# Allegro board 8880F5-0825_4.brd (continued)
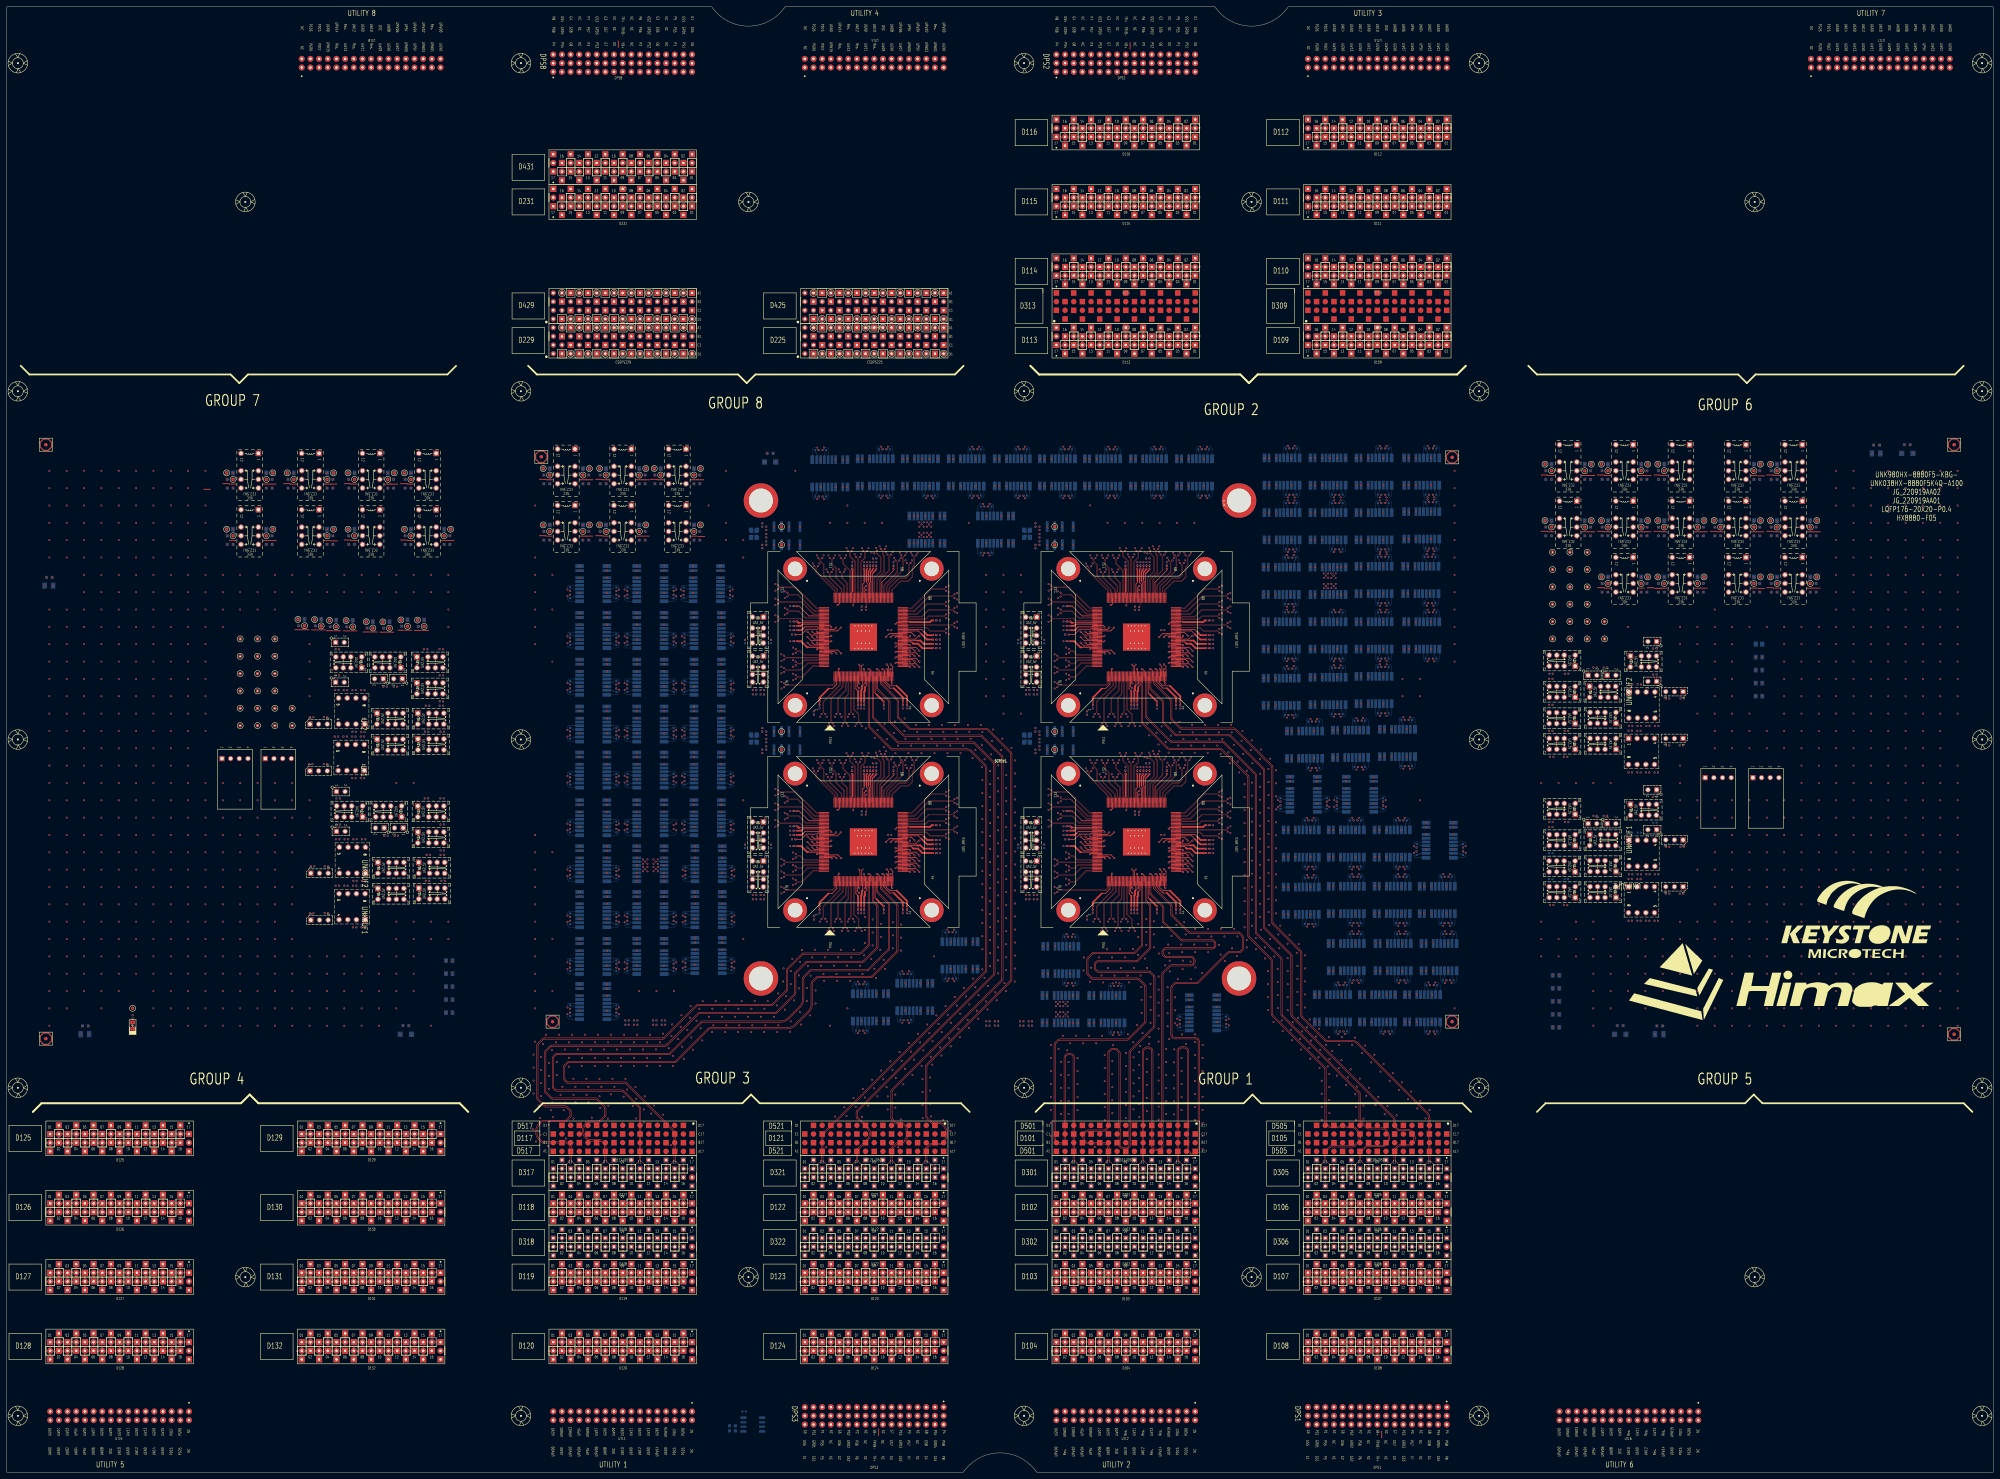
[diagram p0: board, top side]
## Routing (per net, layer and track width the routed paths; a pad name or vN(x,y) marks a point on that pad's centre or on a via; arc(x,y) is an arc through that point) (continued)
D102.A10 ; D102.A10 331.01,76.2 ; D102.A10 330.2,77.01 ; D102.A10 330.2,75.39 ; D127.A9 33.02,54.15 ; D127.A9 32.21,53.34 ; D127.A9 33.02,52.53 ; D127.A9 33.83,53.34 ; CSDPS229.C3 195.58,331.01 ; CSDPS229.C3 195.58,329.39 ; CSDPS229.C3 194.77,330.2 ; CSDPS229.C3 196.39,330.2 ; D431.B8 182.88,379.27 ; D431.B8 182.07,378.46 ; D431.B8 183.69,378.46 ; D431.B8 182.88,377.65 ; 193.04,65.33 D318.A14 ; D318.A14 192.33,66.04 ; D318.A14 193.75,66.04 ; D318.A14 193.04,66.75 ; 413.21,332.74 D109.A4 ; D109.A4 414.02,333.55 ; D109.A4 414.83,332.74 ; D109.A4 414.02,331.93 ; 398.78,80.47 D106.B8 ; D106.B8 397.97,81.28 ; D106.B8 398.78,82.09 ; D106.B8 399.59,81.28 ; 176.99,332.74 CSDPS229.B10 ; CSDPS229.B10 178.61,332.74 ; CSDPS229.B10 177.8,333.55 ; CSDPS229.B10 177.8,331.93 ; 319.23,393.7 D116.A12 ; D116.A12 320.04,394.51 ; D116.A12 320.85,393.7 ; D116.A12 320.04,392.89 ; 398.07,66.04 D306.A8 ; D306.A8 398.78,66.75 ; D306.A8 399.49,66.04 ; D306.A8 398.78,65.33 ; 408.94,367.49 D111.B6 ; D111.B6 409.75,368.3 ; D111.B6 408.13,368.3 ; D111.B6 408.94,369.11 ; 103.33,96.52 D129.A8 ; D129.A8 104.14,97.33 ; D129.A8 104.14,95.71 ; D129.A8 104.95,96.52 ; 95.71,93.98 D129.A5 ; D129.A5 96.52,93.17 ; D129.A5 97.33,93.98 ; D129.A5 96.52,94.79 ; 118.57,96.52 D129.A14 ; D129.A14 120.19,96.52 ; D129.A14 119.38,95.71 ; D129.A14 119.38,97.33 ; D123.B3 238.76,59.23 ; D123.B3 237.95,58.42 ; D123.B3 239.57,58.42 ; D123.B3 238.76,57.61 ; D317.A2 163.27,86.36 ; D317.A2 161.85,86.36 ; D317.A2 162.56,87.07 ; D317.A2 162.56,85.65 ; D128.A15 48.26,33.83 ; D128.A15 49.07,33.02 ; D128.A15 47.45,33.02 ; D128.A15 48.26,32.21 ; SITE2.G15 331.43,243.31 ; SITE2.G15 330.95,242.83 ; SITE2.G15 331.43,242.35 ; SITE2.G15 331.91,242.83 ; D122.A16 272.59,76.2 ; D122.A16 270.97,76.2 ; D122.A16 271.78,77.01 ; D122.A16 271.78,75.39 ; D131.B9 106.68,59.23 ; D131.B9 105.87,58.42 ; D131.B9 107.49,58.42 ; D131.B9 106.68,57.61 ; 238.76,329.39 CSDPS225.C15 ; CSDPS225.C15 239.57,330.2 ; CSDPS225.C15 238.76,331.01 ; CSDPS225.C15 237.95,330.2 ; 332.85,247.93 SITE2.G12 ; SITE2.G12 333.81,247.93 ; SITE2.G12 333.33,247.45 ; SITE2.G12 333.33,248.41 ; 255.73,35.56 D124.A10 ; D124.A10 256.54,36.37 ; D124.A10 256.54,34.75 ; D124.A10 257.35,35.56 ; 29.67,35.56 D128.A8 ; D128.A8 30.48,36.37 ; D128.A8 30.48,34.75 ; D128.A8 31.29,35.56 ; 415.75,19.05 DPS1.C15 ; DPS1.C15 416.56,18.24 ; DPS1.C15 416.56,19.86 ; DPS1.C15 417.37,19.05 ; D107.A1 381.81,53.34 ; D107.A1 380.19,53.34 ; D107.A1 381,54.15 ; D107.A1 381,52.53 ; D123.B12 262.43,60.96 ; D123.B12 261.62,60.15 ; D123.B12 260.81,60.96 ; D123.B12 261.62,61.77 ; D115.A7 333.55,375.92 ; D115.A7 331.93,375.92 ; D115.A7 332.74,375.11 ; D115.A7 332.74,376.73 ; 316.69,391.16 D116.B13 ; D116.B13 317.5,390.35 ; D116.B13 317.5,391.97 ; D116.B13 318.31,391.16 ; D321.A10 257.25,86.36 ; D321.A10 255.83,86.36 ; D321.A10 256.54,87.07 ; D321.A10 256.54,85.65 ; 232.97,63.5 D322.A1 ; D322.A1 233.68,62.79 ; D322.A1 234.39,63.5 ; D322.A1 233.68,64.21 ; D114.A2 345.44,353.87 ; D114.A2 346.25,353.06 ; D114.A2 344.63,353.06 ; D114.A2 345.44,352.25 ; DPS8.C01 201.47,410.21 ; DPS8.C01 200.66,409.4 ; DPS8.C01 199.85,410.21 ; DPS8.C01 200.66,411.02 ; 391.16,390.35 D112.B13 ; D112.B13 390.35,391.16 ; D112.B13 391.97,391.16 ; D112.B13 391.16,391.97 ; D322.A10 256.54,66.75 ; D322.A10 257.25,66.04 ; D322.A10 255.83,66.04 ; D322.A10 256.54,65.33 ; D301.B5 317.5,89.61 ; D301.B5 318.21,88.9 ; D301.B5 316.79,88.9 ; D301.B5 317.5,88.19 ; D109.A16 384.35,332.74 ; D109.A16 383.54,333.55 ; D109.A16 383.54,331.93 ; D109.A16 382.73,332.74 ; D130.A10 109.22,77.01 ; D130.A10 108.41,76.2 ; D130.A10 109.22,75.39 ; D130.A10 110.03,76.2 ; 325.12,352.25 D114.A10 ; D114.A10 325.93,353.06 ; D114.A10 325.12,353.87 ; D114.A10 324.31,353.06 ; 169.37,381 D431.B13 ; D431.B13 170.18,380.19 ; D431.B13 170.99,381 ; D431.B13 170.18,381.81 ; D112.A14 388.62,394.51 ; D112.A14 389.43,393.7 ; D112.A14 387.81,393.7 ; D112.A14 388.62,392.89 ; D113.B12 320.04,328.47 ; D113.B12 319.23,327.66 ; D113.B12 320.85,327.66 ; D113.B12 320.04,326.85 ; D125.B4 21.13,101.6 ; D125.B4 20.32,100.79 ; D125.B4 20.32,102.41 ; D125.B4 19.51,101.6 ; 160.02,67.87 D318.B1 ; D318.B1 160.73,68.58 ; D318.B1 160.02,69.29 ; D318.B1 159.31,68.58 ; D110.B13 391.16,351.33 ; D110.B13 391.16,349.71 ; D110.B13 390.35,350.52 ; D110.B13 391.97,350.52 ; 34.75,101.6 D125.B10 ; D125.B10 36.37,101.6 ; D125.B10 35.56,100.79 ; D125.B10 35.56,102.41 ; D302.B12 335.28,71.83 ; D302.B12 335.28,70.41 ; D302.B12 334.57,71.12 ; D302.B12 335.99,71.12 ; 381,67.87 D306.B1 ; D306.B1 381,69.29 ; D306.B1 381.71,68.58 ; D306.B1 380.29,68.58 ; 316.69,375.92 D115.A13 ; D115.A13 318.31,375.92 ; D115.A13 317.5,376.73 ; D115.A13 317.5,375.11 ; SITE4.G6 333.81,181.33 ; SITE4.G6 333.33,181.81 ; SITE4.G6 333.33,180.85 ; SITE4.G6 332.85,181.33 ; 405.59,53.34 D107.A11 ; D107.A11 406.4,54.15 ; D107.A11 407.21,53.34 ; D107.A11 406.4,52.53 ; D131.B12 114.3,61.77 ; D131.B12 114.3,60.15 ; D131.B12 115.11,60.96 ; D131.B12 113.49,60.96 ; D129.A4 93.98,97.33 ; D129.A4 93.98,95.71 ; D129.A4 94.79,96.52 ; D129.A4 93.17,96.52 ; 408.13,81.28 D106.B12 ; D106.B12 408.94,80.47 ; D106.B12 408.94,82.09 ; D106.B12 409.75,81.28 ; D128.A11 38.1,33.83 ; D128.A11 38.91,33.02 ; D128.A11 37.29,33.02 ; D128.A11 38.1,32.21 ; D321.A12 262.33,86.36 ; D321.A12 261.62,85.65 ; D321.A12 260.91,86.36 ; D321.A12 261.62,87.07 ; D110.B15 386.08,351.33 ; D110.B15 385.27,350.52 ; D110.B15 386.08,349.71 ; D110.B15 386.89,350.52 ; D126.A13 43.99,73.66 ; D126.A13 42.37,73.66 ; D126.A13 43.18,74.47 ; D126.A13 43.18,72.85 ; D431.B12 172.72,379.27 ; D431.B12 171.91,378.46 ; D431.B12 173.53,378.46 ; D431.B12 172.72,377.65 ; 248.85,181.33 SITE3.G2 ; SITE3.G2 249.81,181.33 ; SITE3.G2 249.33,180.85 ; SITE3.G2 249.33,181.81 ; D317.B5 170.18,89.61 ; D317.B5 170.18,88.19 ; D317.B5 170.89,88.9 ; D317.B5 169.47,88.9 ; D123.A14 266.7,56.69 ; D123.A14 265.89,55.88 ; D123.A14 266.7,55.07 ; D123.A14 267.51,55.88 ; D231.B11 176.07,370.84 ; D231.B11 175.26,371.65 ; D231.B11 174.45,370.84 ; D231.B11 175.26,370.03 ; 187.25,66.04 D318.A12 ; D318.A12 188.67,66.04 ; D318.A12 187.96,65.33 ; D318.A12 187.96,66.75 ; D317.A13 190.5,84.53 ; D317.A13 191.21,83.82 ; D317.A13 190.5,83.11 ; D317.A13 189.79,83.82 ; D127.A8 31.29,55.88 ; D127.A8 30.48,55.07 ; D127.A8 30.48,56.69 ; D127.A8 29.67,55.88 ; 109.22,100.79 D129.B10 ; D129.B10 108.41,101.6 ; D129.B10 110.03,101.6 ; D129.B10 109.22,102.41 ; 406.4,37.29 D108.B11 ; D108.B11 406.4,38.91 ; D108.B11 407.21,38.1 ; D108.B11 405.59,38.1 ; D112.A10 399.59,393.7 ; D112.A10 398.78,394.51 ; D112.A10 398.78,392.89 ; D112.A10 397.97,393.7 ; 93.98,34.75 D132.A4 ; D132.A4 94.79,35.56 ; D132.A4 93.98,36.37 ; D132.A4 93.17,35.56 ; D306.A12 408.94,66.75 ; D306.A12 409.65,66.04 ; D306.A12 408.94,65.33 ; D306.A12 408.23,66.04 ; D120.B8 178.61,40.64 ; D120.B8 177.8,41.45 ; D120.B8 176.99,40.64 ; D120.B8 177.8,39.83 ; D103.B3 312.42,59.23 ; D103.B3 313.23,58.42 ; D103.B3 312.42,57.61 ; D103.B3 311.61,58.42 ; D103.A10 330.2,56.69 ; D103.A10 331.01,55.88 ; D103.A10 329.39,55.88 ; D103.A10 330.2,55.07 ; D125.B5 23.67,99.06 ; D125.B5 22.86,98.25 ; D125.B5 22.05,99.06 ; D125.B5 22.86,99.87 ; D106.A3 386.89,73.66 ; D106.A3 386.08,72.85 ; D106.A3 385.27,73.66 ; D106.A3 386.08,74.47 ; D111.A3 416.56,376.73 ; D111.A3 416.56,375.11 ; D111.A3 417.37,375.92 ; D111.A3 415.75,375.92 ; 314.96,80.47 D102.B4 ; D102.B4 315.77,81.28 ; D102.B4 314.96,82.09 ; D102.B4 314.15,81.28 ; D431.B10 177.8,379.27 ; D431.B10 177.8,377.65 ; D431.B10 178.61,378.46 ; D431.B10 176.99,378.46 ; 413.31,66.04 D306.A14 ; D306.A14 414.02,65.33 ; D306.A14 414.02,66.75 ; D306.A14 414.73,66.04 ; D115.B2 345.44,369.11 ; D115.B2 346.25,368.3 ; D115.B2 344.63,368.3 ; D115.B2 345.44,367.49 ; 329.49,91.44 D301.B10 ; D301.B10 330.2,92.15 ; D301.B10 330.91,91.44 ; D301.B10 330.2,90.73 ; D127.A13 43.18,54.15 ; D127.A13 43.99,53.34 ; D127.A13 42.37,53.34 ; D127.A13 43.18,52.53 ; 392.99,71.12 D306.B6 ; D306.B6 393.7,70.41 ; D306.B6 394.41,71.12 ; D306.B6 393.7,71.83 ; D119.A2 162.56,56.69 ; D119.A2 161.75,55.88 ; D119.A2 162.56,55.07 ; D119.A2 163.37,55.88 ; D111.B7 406.4,371.65 ; D111.B7 407.21,370.84 ; D111.B7 405.59,370.84 ; D111.B7 406.4,370.03 ; 192.23,81.28 D118.B14 ; D118.B14 193.85,81.28 ; D118.B14 193.04,80.47 ; D118.B14 193.04,82.09 ; D111.B2 419.91,368.3 ; D111.B2 419.1,369.11 ; D111.B2 418.29,368.3 ; D111.B2 419.1,367.49 ; 259.08,339.55 CSDPS425.C7 ; CSDPS425.C7 258.27,340.36 ; CSDPS425.C7 259.89,340.36 ; CSDPS425.C7 259.08,341.17 ; D231.B17 160.02,371.65 ; D231.B17 160.83,370.84 ; D231.B17 159.21,370.84 ; D231.B17 160.02,370.03 ; 408.94,55.07 D107.A12 ; D107.A12 408.13,55.88 ; D107.A12 408.94,56.69 ; D107.A12 409.75,55.88 ; D107.B12 409.75,60.96 ; D107.B12 408.94,60.15 ; D107.B12 408.13,60.96 ; D107.B12 408.94,61.77 ; D302.B16 345.44,71.83 ; D302.B16 346.15,71.12 ; D302.B16 344.73,71.12 ; D302.B16 345.44,70.41 ; D108.B12 409.75,40.64 ; D108.B12 408.94,39.83 ; D108.B12 408.13,40.64 ; D108.B12 408.94,41.45 ; D102.A16 345.44,77.01 ; D102.A16 345.44,75.39 ; D102.A16 344.63,76.2 ; D102.A16 346.25,76.2 ; CSDPS229.B8 182.88,333.55 ; CSDPS229.B8 182.07,332.74 ; CSDPS229.B8 182.88,331.93 ; CSDPS229.B8 183.69,332.74 ; D129.A16 124.46,97.33 ; D129.A16 125.27,96.52 ; D129.A16 123.65,96.52 ; D129.A16 124.46,95.71 ; 238.05,83.82 D321.A3 ; D321.A3 238.76,84.53 ; D321.A3 238.76,83.11 ; D321.A3 239.47,83.82 ; D302.B8 325.12,71.83 ; D302.B8 324.41,71.12 ; D302.B8 325.12,70.41 ; D302.B8 325.83,71.12 ; 382.73,76.2 D106.A2 ; D106.A2 383.54,77.01 ; D106.A2 383.54,75.39 ; D106.A2 384.35,76.2 ; D431.B7 186.23,381 ; D431.B7 185.42,380.19 ; D431.B7 184.61,381 ; D431.B7 185.42,381.81 ; D116.B12 320.85,388.62 ; D116.B12 320.04,387.81 ; D116.B12 320.04,389.43 ; D116.B12 319.23,388.62 ; D123.B5 244.65,58.42 ; D123.B5 243.03,58.42 ; D123.B5 243.84,57.61 ; D123.B5 243.84,59.23 ; D231.A15 165.1,376.73 ; D231.A15 165.1,375.11 ; D231.A15 165.91,375.92 ; D231.A15 164.29,375.92 ; D126.A7 27.94,74.47 ; D126.A7 28.75,73.66 ; D126.A7 27.13,73.66 ; D126.A7 27.94,72.85 ; D120.A2 163.37,35.56 ; D120.A2 162.56,36.37 ; D120.A2 161.75,35.56 ; D120.A2 162.56,34.75 ; D130.A9 106.68,74.47 ; D130.A9 106.68,72.85 ; D130.A9 107.49,73.66 ; D130.A9 105.87,73.66 ; D103.A9 328.47,53.34 ; D103.A9 327.66,52.53 ; D103.A9 326.85,53.34 ; D103.A9 327.66,54.15 ; 405.59,58.42 D107.B11 ; D107.B11 406.4,57.61 ; D107.B11 406.4,59.23 ; D107.B11 407.21,58.42 ; D108.A13 412.29,33.02 ; D108.A13 411.48,33.83 ; D108.A13 410.67,33.02 ; D108.A13 411.48,32.21 ; 403.05,373.38 D111.A8 ; D111.A8 403.86,372.57 ; D111.A8 404.67,373.38 ; D111.A8 403.86,374.19 ; SITE2.G2 329.81,241.33 ; SITE2.G2 329.33,240.85 ; SITE2.G2 328.85,241.33 ; SITE2.G2 329.33,241.81 ; 408.94,34.75 D108.A12 ; D108.A12 408.94,36.37 ; D108.A12 408.13,35.56 ; D108.A12 409.75,35.56 ; D122.A10 257.35,76.2 ; D122.A10 255.73,76.2 ; D122.A10 256.54,77.01 ; D122.A10 256.54,75.39 ; 326.85,330.2 D113.B9 ; D113.B9 327.66,331.01 ; D113.B9 328.47,330.2 ; D113.B9 327.66,329.39 ; D301.B8 325.83,91.44 ; D301.B8 325.12,90.73 ; D301.B8 324.41,91.44 ; D301.B8 325.12,92.15 ; D102.B12 335.28,82.09 ; D102.B12 335.28,80.47 ; D102.B12 336.09,81.28 ; D102.B12 334.47,81.28 ; 418.29,76.2 D106.A16 ; D106.A16 419.91,76.2 ; D106.A16 419.1,75.39 ; D106.A16 419.1,77.01 ; 86.36,37.29 D132.B1 ; D132.B1 86.36,38.91 ; D132.B1 85.55,38.1 ; D132.B1 87.17,38.1 ; D122.A6 247.19,76.2 ; D122.A6 245.57,76.2 ; D122.A6 246.38,75.39 ; D122.A6 246.38,77.01 ; 265.89,40.64 D124.B14 ; D124.B14 266.7,39.83 ; D124.B14 266.7,41.45 ; D124.B14 267.51,40.64 ; D122.B8 251.46,82.09 ; D122.B8 251.46,80.47 ; D122.B8 250.65,81.28 ; D122.B8 252.27,81.28 ; 401.32,37.29 D108.B9 ; D108.B9 401.32,38.91 ; D108.B9 400.51,38.1 ; D108.B9 402.13,38.1 ; SITE4.G2 329.33,181.81 ; SITE4.G2 329.33,180.85 ; SITE4.G2 328.85,181.33 ; SITE4.G2 329.81,181.33 ; 312.42,72.85 D102.A3 ; D102.A3 311.61,73.66 ; D102.A3 312.42,74.47 ; D102.A3 313.23,73.66 ; 406.4,88.19 D305.B11 ; D305.B11 405.69,88.9 ; D305.B11 406.4,89.61 ; D305.B11 407.11,88.9 ; 387.91,71.12 D306.B4 ; D306.B4 388.62,71.83 ; D306.B4 389.33,71.12 ; D306.B4 388.62,70.41 ; D431.A10 177.8,384.35 ; D431.A10 176.99,383.54 ; D431.A10 177.8,382.73 ; D431.A10 178.61,383.54 ; D112.B9 402.13,391.16 ; D112.B9 401.32,390.35 ; D112.B9 401.32,391.97 ; D112.B9 400.51,391.16 ; D108.B10 403.86,41.45 ; D108.B10 403.05,40.64 ; D108.B10 404.67,40.64 ; D108.B10 403.86,39.83 ; 392.89,35.56 D108.A6 ; D108.A6 393.7,36.37 ; D108.A6 393.7,34.75 ; D108.A6 394.51,35.56 ; 86.36,52.53 D131.A1 ; D131.A1 86.36,54.15 ; D131.A1 85.55,53.34 ; D131.A1 87.17,53.34 ; D110.A14 388.62,353.87 ; D110.A14 388.62,352.25 ; D110.A14 387.81,353.06 ; D110.A14 389.43,353.06 ; 345.44,85.65 D301.A16 ; D301.A16 344.73,86.36 ; D301.A16 346.15,86.36 ; D301.A16 345.44,87.07 ; 103.33,40.64 D132.B8 ; D132.B8 104.14,39.83 ; D132.B8 104.14,41.45 ; D132.B8 104.95,40.64 ; 263.35,53.34 D123.A13 ; D123.A13 264.97,53.34 ; D123.A13 264.16,52.53 ; D123.A13 264.16,54.15 ; 182.88,342.09 CSDPS429.B8 ; CSDPS429.B8 182.88,343.71 ; CSDPS429.B8 183.69,342.9 ; CSDPS429.B8 182.07,342.9 ; D306.B3 386.79,68.58 ; D306.B3 385.37,68.58 ; D306.B3 386.08,69.29 ; D306.B3 386.08,67.87 ; 167.64,34.75 D120.A4 ; D120.A4 167.64,36.37 ; D120.A4 166.83,35.56 ; D120.A4 168.45,35.56 ; D131.A5 96.52,54.15 ; D131.A5 95.71,53.34 ; D131.A5 97.33,53.34 ; D131.A5 96.52,52.53 ; S1_I2C.4 70.61,209.98 ; S1_I2C.4 69.67,209.04 ; S1_I2C.4 70.61,208.1 ; S1_I2C.4 71.55,209.04 ; DPS8.C05 190.5,411.02 ; DPS8.C05 189.69,410.21 ; DPS8.C05 190.5,409.4 ; DPS8.C05 191.31,410.21 ; 387.81,76.2 D106.A4 ; D106.A4 388.62,75.39 ; D106.A4 389.43,76.2 ; D106.A4 388.62,77.01 ; 408.94,347.17 D110.B6 ; D110.B6 408.13,347.98 ; D110.B6 408.94,348.79 ; D110.B6 409.75,347.98 ; 190.5,414.48 DPS8.A05 ; DPS8.A05 189.69,415.29 ; DPS8.A05 191.31,415.29 ; DPS8.A05 190.5,416.1 ; 193.04,60.15 D119.B14 ; D119.B14 192.23,60.96 ; D119.B14 193.85,60.96 ; D119.B14 193.04,61.77 ; D127.B3 17.78,59.23 ; D127.B3 16.97,58.42 ; D127.B3 17.78,57.61 ; D127.B3 18.59,58.42 ; 159.31,88.9 D317.B1 ; D317.B1 160.73,88.9 ; D317.B1 160.02,89.61 ; D317.B1 160.02,88.19 ; D317.B4 167.64,92.15 ; D317.B4 167.64,90.73 ; D317.B4 166.93,91.44 ; D317.B4 168.35,91.44 ; D322.A16 271.78,66.75 ; D322.A16 272.49,66.04 ; D322.A16 271.78,65.33 ; D322.A16 271.07,66.04 ; D112.B14 388.62,389.43 ; D112.B14 387.81,388.62 ; D112.B14 389.43,388.62 ; D112.B14 388.62,387.81 ; D129.B13 117.65,99.06 ; D129.B13 116.03,99.06 ; D129.B13 116.84,98.25 ; D129.B13 116.84,99.87 ; D126.A1 13.51,73.66 ; D126.A1 12.7,74.47 ; D126.A1 11.89,73.66 ; D126.A1 12.7,72.85 ; D116.A1 348.79,396.24 ; D116.A1 347.98,397.05 ; D116.A1 347.17,396.24 ; D116.A1 347.98,395.43 ; D123.B1 234.49,58.42 ; D123.B1 233.68,59.23 ; D123.B1 232.87,58.42 ; D123.B1 233.68,57.61 ; D132.A3 92.25,33.02 ; D132.A3 91.44,32.21 ; D132.A3 90.63,33.02 ; D132.A3 91.44,33.83 ; D130.A4 93.98,77.01 ; D130.A4 93.98,75.39 ; D130.A4 94.79,76.2 ; D130.A4 93.17,76.2 ; D119.B8 178.61,60.96 ; D119.B8 177.8,60.15 ; D119.B8 177.8,61.77 ; D119.B8 176.99,60.96 ; D306.A7 396.95,63.5 ; D306.A7 396.24,62.79 ; D306.A7 395.53,63.5 ; D306.A7 396.24,64.21 ; 110.95,53.34 D131.A11 ; D131.A11 111.76,54.15 ; D131.A11 112.57,53.34 ; D131.A11 111.76,52.53 ; 259.08,32.21 D124.A11 ; D124.A11 259.89,33.02 ; D124.A11 258.27,33.02 ; D124.A11 259.08,33.83 ; 421.64,370.03 D111.B1 ; D111.B1 420.83,370.84 ; D111.B1 421.64,371.65 ; D111.B1 422.45,370.84 ; 403.05,353.06 D110.A8 ; D110.A8 404.67,353.06 ; D110.A8 403.86,353.87 ; D110.A8 403.86,352.25 ; 345.44,60.15 D103.B16 ; D103.B16 345.44,61.77 ; D103.B16 346.25,60.96 ; D103.B16 344.63,60.96 ; SITE1.G8 249.33,248.41 ; SITE1.G8 249.33,247.45 ; SITE1.G8 248.85,247.93 ; SITE1.G8 249.81,247.93 ; D126.A6 25.4,77.01 ; D126.A6 26.21,76.2 ; D126.A6 25.4,75.39 ; D126.A6 24.59,76.2 ; D122.A1 234.49,73.66 ; D122.A1 233.68,74.47 ; D122.A1 233.68,72.85 ; D122.A1 232.87,73.66 ; D123.A5 244.65,53.34 ; D123.A5 243.03,53.34 ; D123.A5 243.84,52.53 ; D123.A5 243.84,54.15 ; D122.A7 248.92,74.47 ; D122.A7 248.11,73.66 ; D122.A7 248.92,72.85 ; D122.A7 249.73,73.66 ; 385.27,355.6 D110.A15 ; D110.A15 386.08,356.41 ; D110.A15 386.08,354.79 ; D110.A15 386.89,355.6 ; 243.03,13.97 DPS3.A05 ; DPS3.A05 243.84,13.16 ; DPS3.A05 243.84,14.78 ; DPS3.A05 244.65,13.97 ; 169.47,68.58 D318.B5 ; D318.B5 170.18,69.29 ; D318.B5 170.18,67.87 ; D318.B5 170.89,68.58 ; D106.B7 397.05,78.74 ; D106.B7 396.24,79.55 ; D106.B7 395.43,78.74 ; D106.B7 396.24,77.93 ; SITE4.G10 331.81,187.93 ; SITE4.G10 331.33,187.45 ; SITE4.G10 330.85,187.93 ; SITE4.G10 331.33,188.41 ; D126.B6 26.21,81.28 ; D126.B6 24.59,81.28 ; D126.B6 25.4,80.47 ; D126.B6 25.4,82.09 ; 411.48,349.71 D110.B5 ; D110.B5 410.67,350.52 ; D110.B5 411.48,351.33 ; D110.B5 412.29,350.52 ; D305.B7 396.95,88.9 ; D305.B7 396.24,88.19 ; D305.B7 395.53,88.9 ; D305.B7 396.24,89.61 ; D306.A13 412.19,63.5 ; D306.A13 410.77,63.5 ; D306.A13 411.48,62.79 ; D306.A13 411.48,64.21 ; D431.B14 167.64,379.27 ; D431.B14 168.45,378.46 ; D431.B14 166.83,378.46 ; D431.B14 167.64,377.65 ; 189.69,73.66 D118.A13 ; D118.A13 191.31,73.66 ; D118.A13 190.5,74.47 ; D118.A13 190.5,72.85 ; D127.B14 45.72,61.77 ; D127.B14 44.91,60.96 ; D127.B14 46.53,60.96 ; D127.B14 45.72,60.15 ; D120.B3 165.91,38.1 ; D120.B3 165.1,38.91 ; D120.B3 165.1,37.29 ; D120.B3 164.29,38.1 ; D306.B11 406.4,69.29 ; D306.B11 407.11,68.58 ; D306.B11 405.69,68.58 ; D306.B11 406.4,67.87 ; SITE2.G10 331.81,247.93 ; SITE2.G10 331.33,247.45 ; SITE2.G10 330.85,247.93 ; SITE2.G10 331.33,248.41 ; 331.85,247.93 SITE2.G11 ; SITE2.G11 332.33,247.45 ; SITE2.G11 332.33,248.41 ; SITE2.G11 332.81,247.93 ; D131.B1 87.17,58.42 ; D131.B1 86.36,59.23 ; D131.B1 85.55,58.42 ; D131.B1 86.36,57.61 ; D302.B15 343.61,68.58 ; D302.B15 342.9,67.87 ; D302.B15 342.9,69.29 ; D302.B15 342.19,68.58 ; 413.21,35.56 D108.A14 ; D108.A14 414.02,36.37 ; D108.A14 414.02,34.75 ; D108.A14 414.83,35.56 ; 240.59,71.12 D322.B4 ; D322.B4 241.3,71.83 ; D322.B4 242.01,71.12 ; D322.B4 241.3,70.41 ; D129.B3 91.44,99.87 ; D129.B3 91.44,98.25 ; D129.B3 90.63,99.06 ; D129.B3 92.25,99.06 ; D116.A7 333.55,396.24 ; D116.A7 332.74,397.05 ; D116.A7 332.74,395.43 ; D116.A7 331.93,396.24 ; 177.8,342.09 CSDPS429.B10 ; CSDPS429.B10 177.8,343.71 ; CSDPS429.B10 178.61,342.9 ; CSDPS429.B10 176.99,342.9 ; 398.78,387.81 D112.B10 ; D112.B10 397.97,388.62 ; D112.B10 399.59,388.62 ; D112.B10 398.78,389.43 ; D109.B9 401.32,331.01 ; D109.B9 400.51,330.2 ; D109.B9 401.32,329.39 ; D109.B9 402.13,330.2 ; 49.99,60.96 D127.B16 ; D127.B16 50.8,60.15 ; D127.B16 50.8,61.77 ; D127.B16 51.61,60.96 ; D116.A14 314.96,394.51 ; D116.A14 315.77,393.7 ; D116.A14 314.96,392.89 ; D116.A14 314.15,393.7 ; D321.B1 233.68,89.61 ; D321.B1 234.39,88.9 ; D321.B1 232.97,88.9 ; D321.B1 233.68,88.19 ; D124.A16 271.78,36.37 ; D124.A16 271.78,34.75 ; D124.A16 272.59,35.56 ; D124.A16 270.97,35.56 ; CSDPS425.C1 274.32,341.17 ; CSDPS425.C1 275.13,340.36 ; CSDPS425.C1 273.51,340.36 ; CSDPS425.C1 274.32,339.55 ; 320.04,34.75 D104.A6 ; D104.A6 320.85,35.56 ; D104.A6 320.04,36.37 ; D104.A6 319.23,35.56 ; CSDPS225.C3 269.24,331.01 ; CSDPS225.C3 269.24,329.39 ; CSDPS225.C3 268.43,330.2 ; CSDPS225.C3 270.05,330.2 ; 43.18,32.21 D128.A13 ; D128.A13 43.18,33.83 ; D128.A13 43.99,33.02 ; D128.A13 42.37,33.02 ; D107.B14 414.02,61.77 ; D107.B14 413.21,60.96 ; D107.B14 414.02,60.15 ; D107.B14 414.83,60.96 ; 106.68,98.25 D129.B9 ; D129.B9 106.68,99.87 ; D129.B9 105.87,99.06 ; D129.B9 107.49,99.06 ; 339.55,332.74 D113.A4 ; D113.A4 341.17,332.74 ; D113.A4 340.36,331.93 ; D113.A4 340.36,333.55 ; 330.2,392.89 D116.A8 ; D116.A8 330.2,394.51 ; D116.A8 331.01,393.7 ; D116.A8 329.39,393.7 ; 335.28,85.65 D301.A12 ; D301.A12 334.57,86.36 ; D301.A12 335.99,86.36 ; D301.A12 335.28,87.07 ; D110.A1 422.45,355.6 ; D110.A1 421.64,356.41 ; D110.A1 420.83,355.6 ; D110.A1 421.64,354.79 ; 27.13,53.34 D127.A7 ; D127.A7 27.94,52.53 ; D127.A7 28.75,53.34 ; D127.A7 27.94,54.15 ; 325.12,326.85 D113.B10 ; D113.B10 325.12,328.47 ; D113.B10 324.31,327.66 ; D113.B10 325.93,327.66 ; CSDPS225.C5 264.16,331.01 ; CSDPS225.C5 264.16,329.39 ; CSDPS225.C5 263.35,330.2 ; CSDPS225.C5 264.97,330.2 